# KiCad board VersaSens_HeEx.kicad_pcb (continued)
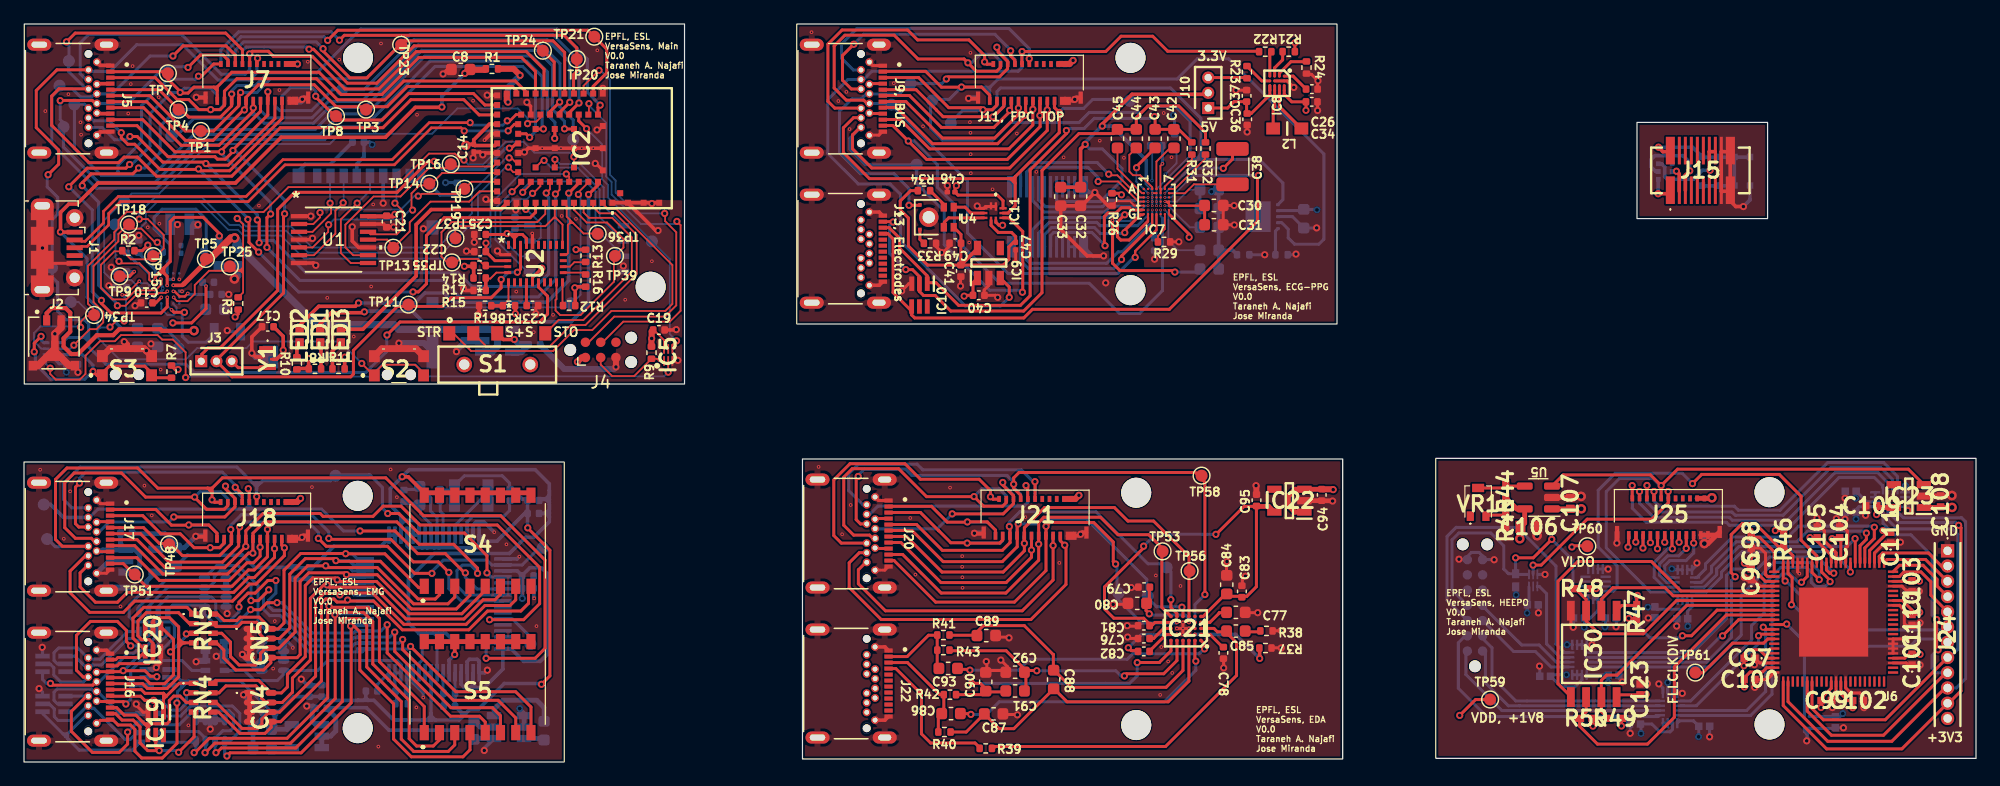
[diagram p0: board, top side]
## Routing (per net, layer and track width the routed paths; a pad name or vN(x,y) marks a point on that pad's centre or on a via; arc(x,y) is an arc through that point) (continued)
  Bottom w0.4: IC12.5 21.93,2.73 20.63,2.73 20.9,3 C53.1
-3V3: length 19.5
  Bottom w0.3: C54.1 36.71,2.66 30.38,2.66 28.52,4.53 25.48,4.53
  Bottom w0.4: C55.2 25.97,3.73 25.97,2.58 25.54,2.15 IC12.2 IC12.3 ; IC14.2 38.01,2.91 C54.1
/HEEPO/+3V3: length 137.4
  Top w0.4: v3(129.72,21.1) 129.72,21.1 128.73,21.1 128.72,21.09 U5.1 ; J25.20 J25.22 140.55,21.97 v3(140.6,22.02) ; 158.29,21.24 IC23.1 160.6,21.21 v3(160.6,21.22)
  PWR w0.25: 128.53,7.32 v2(128.48,7.27)
  PWR w0.4: v2(128.53,9.78) 127.84,9.78 v2(125.21,12.42) 125.21,13.01 v2(124.29,13.93) 123.19,15.03 123.19,19.59 124.69,21.1 v3(129.72,21.1) 139.68,21.1 v3(140.6,22.02) 141.8,20.82 146.59,20.82 147.04,21.28 151.99,21.28 152.57,21.86 v2(152.57,21.98) 153.63,23.04 v2(156.72,23.04) 158.55,21.22 v3(160.6,21.22) 160.6,20.57 158.63,18.6 158.63,4.8 159.8,3.63 J24.12 ; v2(128.53,9.78) 129.96,11.21 v2(129.96,11.23) 131.64,12.91 v2(135.27,12.91) 135.27,14.11 v2(137.26,16.1) ; v2(128.53,9.78) 128.53,7.32 ; v2(128.48,7.27) 131.92,3.83 133.24,3.83 v2(134.69,2.37) 135.58,2.37 136.92,3.71 v2(136.92,6.63)
  Bottom w0.25: C121.2 127.28,7.27 v2(128.48,7.27) ; C121.2 127.27,7.04 ; C121.2 128.04,6.27 129.2,6.27 129.77,6.84 IC29.14 IC29.16 ; C115.2 135.83,12.91 v2(135.27,12.91) ; C115.2 135.93,13.01 ; C115.2 135.99,12.93 ; C115.2 136.04,12.73 138.13,12.73 138.54,13.15 IC26.14 IC26.16 ; C115.2 135.79,12.98 ; v2(128.53,9.78) 128.96,9.78 IC29.5 ; 125.09,12.97 125.36,13.23 125.36,14.6 ; v2(124.29,13.93) 124.27,13.95 124.27,14.75 ; v2(129.96,11.23) 129.98,11.25 C117.2 130.48,12.01 131.1,12.63 IC27.14 IC27.15 ; v2(156.72,23.04) 156.7,23.02 IC25.5 ; C124.1 125.21,13.08 v2(125.21,12.42) ; IC25.16 IC25.14 153.5,21.68 C113.2 152.57,22.53 v2(152.57,21.98) ; IC26.6 137.34,16.02 v2(137.26,16.1) ; v2(134.69,2.37) 134.69,3.17 135.59,3.17 136.25,2.52 137.12,2.52 137.32,2.71 IC28.14 IC28.16 ; IC28.6 136.92,6.62 v2(136.92,6.63)
  Bottom w0.4: J25.20 J25.22 140.55,21.97 v3(140.6,22.02)
GND: length 114.9
  Top w0.15: C10.2 9.49,38.27 v2(9.25,38.02) ; 54.1,36.16 54.22,36.03 v2(54.34,36.03) ; 54.41,33.42 v2(54.46,33.47)
  Top w0.25: U2.2 39.71,42.28 39.43,42.56 v2(39.43,42.59) ; v2(47.73,52.68) 47.89,52.68 IC2.66 ; U2.25 42.36,44.02 v1(42.33,44.05) ; C22.2 36.89,42.54 v2(36.85,42.58) ; C23.1 42.63,37.84 v2(42.63,37.34) ; IC2.68 47.63,49.88 v2(47.58,49.88) ; IC2.44 42.21,54.66 v2(41.89,54.98) ; J1.5 1.82,41.56 J1.6 ; IC2.21 38.62,46.75 v2(38.47,46.9) ; v2(40.96,46.02) 40.96,46.32 41.01,46.37 IC2.19 ; 54.07,33.42 54.41,33.42
  Top w0.3: v2(30.79,44.58) 30.77,44.56 C21.2 29.93,44.84 U1.13 ; IC2.33 38.89,52.35 v1(38.36,51.83) ; v2(23.89,45.49) 22.91,45.49 U1.1 ; 50.03,46.6 50.02,46.61 49.02,46.61 IC2.1 ; 37.45,39.3 36.77,39.3 v2(36.61,39.45) ; 7.19,58.06 6.35,58.06 J5.B12 ; IC2.30 41.61,50.75 v2(41.68,50.83) 42.01,51.15 IC2.73 IC2.74 IC2.75 IC2.67 ; 37.46,43.31 v2(37.5,43.31) 37.5,43.86 37.51,43.86 ; U1.7 24.11,41.59 v2(24.3,41.4) ; C17.2 18.98,35.42 v2(18.98,34.07) 19.29,33.76 Y1.2 ; 52.91,46.6 IC2.70 ; IC2.70 IC2.69 52.63,44.29 v2(52.81,44.29) ; IC2.70 51.64,46.57 ; v2(34.9,57.34) 35.28,57.72 C8.1 ; v2(23.18,55.23) 23.05,55.1 J7.21 ; R19.1 37.9,37.36 v2(37.86,37.31) ; 37.51,50.79 37.51,50.44 v2(37.41,50.35) ; v2(38.58,55.58) 38.92,55.58 38.93,55.56 39.4,55.56 IC2.39 ; J5.B1 6.35,52.51 7.19,52.51 ; C14.1 37.98,50.84 v2(38.22,50.6) 38.37,50.75 IC2.29 ; U1.10 27.87,42.88 27.34,43.42 v2(27.34,44.6) ; IC2.59 48.22,55.71 v2(48.22,56.14) ; v2(24.03,43.64) 23.92,43.54 U1.4 ; v2(54.34,36.03) 54.31,36.01 C19.2 ; 42.82,38.03 C23.1
  Top w0.35: J7.MP1 14.38,55.37 v2(14.35,55.39) ; J7.MP2 23.32,55.37 v2(23.18,55.23)
  Top w0.5: S3.3 8.58,34.79 v2(8.35,35.02) ; J4.5 v2(49.31,32.92) ; v2(31.23,34.91) S2.3
  Top w0.56: S3.4 10,34.45 7.16,34.45 6.53,33.82 ; S2.2 29.81,34.44 S2.3 32.66,34.44 S2.4
  Top w0.6: 4.24,33.05 3.75,33.05 2.57,34.23 2.57,34.98 ; J2.S1 1.15,33.03 2.57,34.45 2.57,34.98 ; 1.85,33.73 3.07,33.73 ; 2.57,34.98 v2(2.57,35.68) 3.09,36.2 J2.2
  Top w0.68: 22.32,55.1 22.47,55.1
  Top w1: J1.6 J1.6
  Bottom w0.2: IC1.C3 11.54,39.33 11.54,39.62 IC1.D3
  Bottom w0.25: C1.2 7.27,41.18 v2(7.27,41.23) ; v2(10.58,34.85) 10.83,34.6 C6.2 ; v2(4.49,32.48) 4.49,32.48 C18.2 ; RT1.2 17.03,35.85 v2(16.93,35.96) ; v2(7.07,39.69) 7.27,39.49 7.58,39.49 ; v2(8.5,43.87) 8.52,43.86 R4.2 ; v2(9.56,43.88) R5.2 ; v2(40.96,46.02) 40.96,45.46 C20.2 ; v2(17.05,38.97) C13.2 16.46,38.97 ; v2(17.15,38.27) 17.15,38.23 16.64,37.72 ; v2(49.92,41.34) 49.93,41.32 IC6.4 ; v2(33.26,44.44) 33.37,44.55 J6.MP3 ; v1(13.16,39.22) IC1.C6 ; IC4.4 2.52,35.63 v2(2.57,35.68) ; v2(10.19,34.28) 9.77,34.28 C5.2
  Bottom w0.3: J6.MP1 22.87,49.27 23.42,49.82 25.52,49.82 C24.2 27.34,51.64 ; 29.92,48.85 29.92,48.84 v2(29.92,46.57)
  Bottom w0.35: v2(14.35,55.39) 15.1,55.39 J7.MP1 ; J7.MP2 23.32,55.37 v2(23.18,55.23)
  Bottom w0.5: J6.MP5 33.32,34.91 v2(31.23,34.91) ; 36.82,35.1 36.02,34.3 v2(36.02,34.2) ; J6.MP6 19.3,33.75 v2(18.98,34.07) ; 42.96,34.79 44.99,32.75 49.14,32.75 v2(49.31,32.92)
  Bottom w0.6: v3(17.53,40.26) 17.8,40.53 C4.2 ; 22.27,55.11 23.06,55.11 v2(23.18,55.23) ; 36.81,35.1 IC3.2
  vias: v1(1.77,54.25) v1(3.7,55.66) v1(4.7,53.31) v1(4.75,52.28) v1(8.59,32.15) v1(8.68,54.05) v1(8.9,56.5) v1(9.05,57.99) v1(10.31,44.56) v1(11.22,55.41) v1(11.28,44.87) v1(11.39,32.7) v1(11.55,39.47) v1(19.57,46.37) v1(21.27,56) v1(23.64,58.36) v1(25.26,38.68) v1(26.26,58.54) v1(27.47,35.46) v1(28.92,39.62) v1(29.09,46.47) v1(29.74,59.88) v1(32.74,53.94) v1(37.41,55.11) v1(41,39.2) v1(42.46,35.82) v1(43.16,51.15) v1(44.07,37.26) v1(44.73,51.15) v1(44.79,45.51) v1(45.98,45.26) v1(46.46,51.15) v1(47.42,51.15) v1(47.75,59.31) v1(47.73,42.02) v1(50.07,38.53) v1(52.3,41.73) v2(1.54,42.84) v2(52.3,46.54)
GND1: length 45.6
  Top w0.25: R29.2 96.19,43.34 v2(96.2,43.35) ; 71.51,58.04 70.69,58.04 70.39,58.34 ; IC8.C2 IC8.A2 105.23,56.76 v2(105.77,56.22) ; R26.1 91.29,47.4 v2(91.41,47.27) 91.39,47.29 ; C36.2 101.89,52.51 v2(101.89,52.51) ; v2(78.01,39.66) 78.01,40.43 C41.2 ; v2(100.8,46.38) 100.8,46.38 C30.2 C31.2 100.8,44.77 v2(100.81,44.76) ; 70.39,52.24 71.21,52.24 71.51,52.54 ; v2(79.4,46.34) 79.59,46.15 IC11.3 80.1,46.3 IC11.1 ; v2(82.52,41.52) 82.6,41.61 C47.1 ; v2(76.91,48.04) C46.2 ; IC10.3 73.7,39.86 v2(73.1,39.26) ; R33.1 75.98,42.96 76.43,42.51 v2(76.43,42.46) 76.55,42.46 77.08,42.99 77.08,43.21 ; C37.2 101.83,55.99 v2(100.95,55.99) ; C26.2 107.75,56.74 v2(107.78,56.77) 107.24,57.31 106.88,57.31 R24.2 ; v2(81.11,38.72) 80.93,38.9 C40.1 79.98,38.92 79.98,39.34 80.37,39.73 IC9.2 ; v2(107.75,54.3) 107.75,55.01 C34.2
  Top w0.3: J13, Electrodes.A12 71.24,39.73 J13, Electrodes.B1 ; 87.53,55.23 87.4,55.1 86.44,55.1 ; J13, Electrodes.B12 71.24,45.83 J13, Electrodes.A1
  Top w0.35: 79.45,55.29 78.7,55.29 ; 88.01,55.37 87.66,55.37 87.53,55.23
  Top w0.68: 86.66,55.1 86.81,55.1
  PWR w0.15: 94.37,46.71 93.98,46.71
  PWR w0.2: 95.17,48.02 94.68,47.54 94.68,47.03 94.37,46.71
  PWR w0.25: 95.17,48.02 95.55,48.4 95.55,49.19 95.26,49.48 93.61,49.48 91.41,47.29 v2(91.41,47.27)
  Bottom w0.25: v2(94.17,41.9) 94.18,41.91 R28.2 ; R35.2 105.89,42.27 v2(105.95,42.33) ; v2(107.67,44.51) 107.66,44.5 C48.2 105.66,45.45 U3.3 ; R25.2 v2(103.35,42.27)
  Bottom w0.3: J11, FPC TOP.23 87.4,55.1 87.52,55.22
  Bottom w0.35: 87.52,55.22 87.66,55.36 88.01,55.36 ; 79.43,55.38 78.75,55.38 78.67,55.3
  Bottom w0.68: 86.63,55.09 86.81,55.09
  vias: v1(65.6,60.82) v1(67.83,55.08) v1(68.5,55.84) v1(68.77,52.75) v1(72.46,56.57) v1(74.89,52.98) v1(78.79,53.32) v1(78.73,43.29) v1(78.84,59.1) v1(78.84,52.44) v1(78.85,50.65) v1(78.87,49.07) v1(80.68,47.73) v1(82.7,52.38) v1(84.33,49.18) v1(86.6,50.39) v1(89.61,51.78) v1(91.62,50.35) v1(94.94,54.09) v1(95.59,50.4) v2(78.68,55.31) v2(87.52,55.22) v2(90.11,39.93) v5(93.98,46.71)
GND2: length 79
  Top w0.25: J17.A1 6.35,21.53 6.05,21.83 ; IC20.3 11.4,8.25 v2(11.01,7.87) ; v2(9.35,4.83) 9.35,4.73 9.93,4.15 IC19.3 ; J17.A12 6.87,15.73 6.05,15.73
  Top w0.3: 6.07,9.31 6.89,9.31 J16.A1 ; v2(23.16,18.73) 23.03,18.6 22.07,18.6
  Top w0.35: v2(23.16,18.73) 23.29,18.86 23.65,18.86 ; 15.08,18.79 14.34,18.79
  Top w0.4: CN5.1 CN5.4 18.46,8.69 v2(18.19,8.96) ; CN4.4 18.79,5.76 18.44,5.76 v2(18.28,5.6)
  Top w0.5: 6.05,9.33 6.07,9.31
  Top w0.68: 22.3,18.6 22.45,18.6
  Bottom w0.25: CN1.5 21.97,10.03 22.39,9.61 v1(22.39,9.51) ; v2(1.52,9.56) 1.55,9.53 IC16.3 ; 16.05,8.85 v2(16.01,8.81) ; v2(11.01,7.87) 10.84,7.7 IC15.3 ; v1(33.26,5.37) 33.26,5.73 32.4,6.59 IC17.60 ; v2(1.26,6.12) 1.55,5.82 IC18.3 ; 14.41,8.43 v2(14.34,8.36) ; CN1.1 19.89,7.57
  Bottom w0.3: v2(38.34,0.96) 38.34,1.14 IC14.1 ; v2(38.59,7.65) 38.38,7.43 IC17.49 37.9,8.4 37.74,8.56 37.11,8.56 36.9,8.36 IC17.51 ; 24.2,6.4 23.59,6.4 v2(23.09,6.9) ; v1(39.17,19.15) 38.31,20.01 37.66,20.01 37.4,19.75 IC17.31 ; v1(24.29,14.85) 23.92,15.23 22.61,15.23 ; v1(41.26,17.12) 41.07,16.92 IC17.33 ; v1(42.49,13.64) 42.47,13.66 42.47,15.51 ; 22.07,18.6 23.03,18.6 v2(23.16,18.73) ; C74.2 24.85,6.41
  Bottom w0.35: 15.07,18.89 14.39,18.89 v2(14.31,18.81) ; 23.65,18.87 23.3,18.87 v2(23.16,18.73)
  Bottom w0.4: 9.06,19.11 9.14,19.03 11.74,19.03 12.67,18.09 12.67,17.86 13.35,17.86 v2(14.31,18.81) ; C50.2 19.07,2.87 19.94,3.73 C53.2 19.8,4.08 v2(18.28,5.6) ; 15.51,3.52 v2(15.51,2.74) ; 15.51,3.52 CN3.4 ; 15.51,3.52 CN3.1 ; IC14.1 37.56,1.96 C54.2 ; IC12.1 24.3,3.1 24.01,3.39 24.01,4.22 C55.1 24.08,4.66 v2(23.55,4.66) ; CN2.4 16.92,12.86 v2(16.92,12.37) ; IC13.2 7.11,16.78 6.06,15.73 6.05,15.73
  Bottom w0.5: CN1.4 CN1.2 CN1.1 ; 19.89,7.57 19.58,7.57 v2(18.19,8.96) ; 9.23,14.49 9.2,14.53 7.1,14.53 J17.S2 ; RN1.4 RN1.2 14.41,8.43 ; 16.71,8.85 16.05,8.85 ; 16.71,8.85 RN1.7 ; 16.71,8.85 RN1.5 ; CN2.1 16.83,13.11 16.98,12.96 ; CN1.7 CN1.5 21.63,9.64
  Bottom w0.68: 22.3,18.6 22.45,18.6
  vias: v1(1.34,24.36) v1(3.32,18.6) v1(3.84,22.56) v1(8.04,12.96) v1(10.03,23.03) v1(10.64,20.55) v1(13.69,3.05) v1(20.75,7.78) v1(20.89,11.74) v1(23.98,22.91) v1(29.52,1.28) v1(30.54,24.38) v1(31.06,22.07) v1(32.68,4.55) v1(40.19,18.14) v1(42.69,11.32)
GND3: length 30.2
  Top w0.25: 80.86,10.41 81.99,10.41 v2(82.05,10.35) ; 92.76,11.31 91.95,11.31 v2(91.9,11.36) ; 103.95,9.52 104.71,9.52 v2(104.73,9.51) ; 91.91,13.14 v2(90.72,13.14) ; v2(92.23,14.54) 92.29,14.48 92.76,14.48 ; v2(81.37,8.49) 81.91,7.95 81.91,7.62 80.26,7.62 80.2,7.56 80.2,8.34 v2(80.16,8.38) ; v1(96.54,11.13) v1(97.04,11.13) v1(97.04,10.63) ; v1(96.54,11.13) v1(96.54,10.63) ; v1(96.54,11.13) v1(96.54,11.63) ; v1(96.54,11.13) v1(96.04,11.13) ; v2(82.74,3.93) 82.71,3.96 81.68,3.96 ; 101.71,12.44 102.76,12.44 v2(102.76,12.44) ; v2(91.93,10.41) 92.05,10.3 92.76,10.3 ; v2(101.74,15.48) 101.49,15.23 101.49,14.77 ; 103.95,10.94 104.71,10.94 v2(104.73,10.95) ; v2(100.21,16.71) 100.17,16.67 100.17,15.63 ; 70.88,15.99 71.7,15.99 72,16.29 ; 70.88,22.09 71.18,21.79 72,21.79 ; 99.92,8.59 99.92,7.85
  Top w0.3: J22.B1 71.72,3.49 J22.A12 ; J22.B12 71.72,9.59 J22.A1 ; v2(88.01,18.98) 87.88,18.85 87.3,18.85
  Top w0.35: 79.94,19.04 79.19,19.04 ; v2(88.01,18.98) 88.16,19.12 88.49,19.12
  Top w0.4: v2(109,21.75) 108.98,21.77 108.14,21.77 108.13,21.78 IC22.2
  Top w0.5: v2(102.62,23.03) 102.66,23 102.66,22.26
  Top w0.67: 87.15,18.86 87.3,18.86
  Bottom w0.3: 88,18.98 87.88,18.85 86.92,18.85
  Bottom w0.35: 88.49,19.12 88.14,19.12 88,18.98 ; 79.16,19.06 79.24,19.14 79.92,19.14
  Bottom w0.68: 87.14,18.85 87.29,18.85
  vias: v1(66.19,24.59) v1(68.15,18.98) v1(68.86,21.42) v1(73.83,20.34) v1(74.25,15.62) v1(77.14,22.87) v1(78.15,17.16) v1(78.15,16.27) v1(78.16,15.39) v1(78.18,14.52) v1(83.41,20.41) v1(86.24,16.59) v1(94.28,15.54) v1(94.64,5.59) v1(94.73,9.58) v1(95.3,8.38) v1(95.64,7.42) v1(96.33,14.67) v2(79.17,19.06) v2(99.93,7.84)
GNDA: length 9
  Bottom w0.3: v2(98.91,47.53) 99.07,47.69 C29.2 C27.2 ; C39.2 100.66,42.65 R25.1
  vias: v5(93.98,47.06)
GNDPWR: length 20.1
  Top w0.15: IC7.E1 93.26,46.37 92.49,46.37 92.12,46.73 90.99,46.73 R26.2 90.7,46.31 90.73,46.31
  Top w0.3: v2(89.93,42.18) 88.56,42.18 86.36,44.38 C33.2 C32.2 88.08,46.35 v2(89.2,47.47) 90.3,46.38 R26.2
  Bottom w0.25: J12.3 J12.MP1
  Bottom w0.3: 88.3,47.94 J12.MP2 88.73,47.47 v2(89.2,47.47) ; 89.65,42.17 89.62,42.14 89.05,42.14 88.25,42.94 ; 87.04,47.94 88.29,47.94
GNDS: length 83.2
  Top w0.25: U6.49 U6.52 156.79,10.26 v2(156.79,10.25) ; U6.59 156.22,13.06 156.62,12.65 156.62,12.28 156.63,12.27 156.63,11.55 156.83,11.34 157.22,11.34 C110.1 157.74,11.4 v2(157.93,11.59) ; 135.24,6.52 134.63,6.52 C123.1 134.51,6.5 ; v2(144.17,6.22) 144.17,6.86 C100.1 145.2,6.87 U6.22 ; v2(129.05,11.23) 128.85,11.43 IC30.4 ; v2(150.64,4.54) 150.67,4.57 150.67,5.38 150.94,5.65 U6.34 ; 153.26,5.27 v2(153.26,4.53) ; 143.92,15.15 C96.1 144.05,15.19 144.58,14.66 U6.4 ; U6.63 156.43,14.66 156.77,14.31 157.16,14.31 C103.1 157.3,14.23 v2(157.87,14.23) ; U6.77 150.94,17.41 ; v2(157.94,8.08) 157.89,8.04 157,8.04 156.78,8.26 U6.47 ; v2(156.3,18.32) 155.05,18.32 154.14,17.41 U6.69 ; U6.84 U6.85 147.74,15.84 v1(147.88,15.7) ; U6.75 151.74,17.81 151.89,17.96 151.89,19.25 151.55,19.58 C104.1 151.24,20 v2(150.96,20.27) ; U6.36 151.74,6.18 152.17,5.75 152.93,5.75 153.23,5.45 C102.1 ; v2(144.14,8.11) 144.14,8.6 C97.1 144.58,8.26 U6.20 ; 150.94,17.31 150.94,17.45 149.97,18.41 149.97,19.26 149.65,19.58 C105.1 149.37,20.29 v2(149.35,20.31) ; 134.81,6.56 134.59,6.34 ; 143.85,15.17 143.51,15.17 v2(143.29,15.4) ; U6.2 145.22,15.46 145.07,15.61 145.07,17.39 144.64,17.82 C98.1 143.88,17.17 v2(144.13,16.92)
  Top w0.4: v3(129.7,22.14) 129.63,22.06 128.73,22.06 128.71,22.04 U5.2 ; v3(126.04,18.86) 126.04,19.58 C106.1 ; v3(139.97,18.2) 140.28,18.2 J25.MP2 140.98,18.91 J25.21 ; J25.MP1 132.7,18.26 v2(132.68,18.25) ; v2(153.4,20.56) 153.34,20.62 153.34,21.34 ; 160.5,22.18 158.28,22.18 IC23.2 158.31,22.21
  Bottom w0.25: 126.12,15.63 v2(126.7,15.63) 126.77,15.56 ; v2(130.61,9.76) 130.6,9.77 IC29.8 IC29.7 ; 126.27,7.84 126.24,7.87 v2(126.24,7.99) 126.26,7.97 C121.1 126.1,7.15 ; v2(138.13,5.72) 138.11,5.74 137.56,5.74 ; IC28.5 136.52,6.17 v2(136.18,6.51) ; v2(139.35,16.58) 139.35,16.43 IC26.8 IC26.7 ; 137.66,11.97 C116.2 137.68,11.34 v2(137.67,11.33) ; v2(129.05,11.23) 129.08,11.26 C117.1 ; C120.2 140.41,2.1 v2(140.4,2.1) ; C113.1 151.69,22.55 v2(151.69,21.98) ; IC28.7 137.56,5.74 ; 137.56,5.74 IC28.8 ; v2(151.55,2.85) 151.55,2.86 C112.2 150.82,2.8 IC24.4 ; v2(135.3,12) 135.82,12 C115.1 ; v2(151.68,20.24) 151.7,20.26 C114.2 ; v2(156.91,20.95) 156.7,21.16 IC25.8 IC25.6 ; v2(126.15,12.43) 126.15,13.08 C124.2 ; 148.53,2.32 148.54,2.33 148.54,2.8 ; 148.53,2.32 148.3,2.55 IC24.1 148.54,2.8 ; 148.53,2.32 148.71,2.5 IC24.4 ; 148.53,2.32 148.53,1.8 v2(148.49,1.76) ; C118.2 132.62,11.28 v2(132.62,11.27) ; v2(122.46,16.85) 122.45,16.87 J27.8 121.5,17.17 121.2,17.46 120.57,17.46 120.23,17.12 J27.7 119.57,16.87 v2(119.53,16.9) ; v2(131.96,16.08) 131.95,16.09 IC27.8 IC27.7 ; 129.65,9.77 IC29.6 ; C122.2 132.86,6.95 v2(133.14,6.68) ; 148.54,2.8 IC24.4 ; v2(133.79,2.4) 133.79,2.98
  Bottom w0.4: v2(132.68,18.25) 132.7,18.26 J25.MP1 ; J25.MP2 140.98,18.91 J25.21 ; 139.98,18.91 139.97,18.92 v3(139.97,18.2)
  vias: v2(135.22,6.52) v3(160.59,22.21)
VCC: length 25.6
  Top w0.25: C41.1 78.04,43.22 C49.1 ; C41.1 75.26,41.41 73.67,43.01 73.67,45.34 72.99,46.02 72.99,46.75 73.85,47.62 R34.2 ; C41.1 81.57,41.41 82.04,41.88 82.04,42.92 82.43,43.32 C47.2 82.6,43.79 82.26,44.13 81.16,44.13 80.55,44.74 IC11.6 ; 77.45,44.56 78.05,43.96 78.05,43.21 78.04,43.21 78.06,43.23
  Top w0.3: IC9.5 79.42,42.8 C41.1
VCCQ: length 37.9
  Top w0.25: IC21.D6 94.21,11.63 93.89,11.31 93.89,11.36 93.27,11.98 90.78,11.98 90,12.76 90,14.59 93.26,17.84 v2(93.26,17.99) ; IC21.E1 98.22,12.13 100.17,14.08 100.44,13.81 101.85,13.81 102.66,14.61 102.66,21.3 102.65,21.31 101.63,21.31 99.3,18.97 v2(99.28,18.97)
  Top w0.4: IC22.5 103.68,21.3 102.66,21.3
  Bottom w0.25: v2(99.28,18.97) 94.25,18.97 v2(93.26,17.99)
VDD: length 44.6
  Top w0.25: v2(143.26,8.02) 143.26,8.63 C97.2 143.28,9.01 143.64,9.36 144.55,9.36 145.25,8.66 U6.19 ; v2(157.94,8.97) 157.91,9 157,9 156.66,8.66 U6.48 ; v2(148.77,18.7) 148.78,18.68 C105.2 149.37,18.4 150.54,17.23 150.54,17.07 ; 144,16.09 C96.2 ; C96.2 144.02,16.09 145.05,15.06 U6.3 ; C96.2 144.05,16.09 ; 144.04,16.07 143.81,16.07 v2(143.31,16.58) ; v2(130.68,2.99) 130.68,2.99 R50.2 ; 122.06,5.2 120.91,5.2 v2(119.59,3.88) ; v2(145.88,19.29) 146.31,19.29 146.55,19.05 ; U6.33 150.54,6.15 149.71,5.32 149.71,4.57 v2(149.68,4.54) ; v2(133.06,3) R49.2 ; IC30.8 132.85,5.6 C123.2 134.65,5.64 v2(135.12,5.64) ; v2(157.89,15.07) 156.4,15.07 156.38,15.06 U6.64 ; U6.78 150.54,17.16 ; v2(130.96,14.45) 130.42,14.45 130.38,14.41 ; R47.2 133.69,11.95 v2(133.67,11.97)
  Top w0.4: 154.3,21.34 154.31,21.33 v2(154.31,20.62) ; IC23.5 154.49,21.21
  Bottom w0.25: v2(131.69,11.26) 131.72,11.29 C118.1 131.5,12.23 IC27.13 ; C116.1 138.58,12.58 138.95,12.95 138.95,13.51 IC26.13 ; C116.1 138.74,12.1 ; C116.1 138.58,11.32 v2(138.59,11.31) ; IC24.3 151.27,3.8 v2(151.5,4.03) ; v2(152.6,20.25) 152.6,20.25 C114.1 152.6,21.04 152.84,21.28 IC25.13 ; IC29.13 131.89,7.27 ; IC28.13 137.91,3.43 139.06,3.43 C120.1 139.51,2.13 v2(139.49,2.11) ; 131.84,7.36 C122.1 v2(131.96,6.62)
/ECG_PPG/ACG_LR: length 1.9
  Top w0.25: 76.62,46.24 76.62,46.47 R34.1
/ECG_PPG/ACG_THSEL: length 1.3
  Top w0.25: R33.2 74.62,43.56 U4.5
/ECG_PPG/ACG_Wake: length 32.2
  Top w0.25: v2(81.04,59.57) 81.15,59.46 81.15,59.17 81.93,58.38 81.93,58.15 ; 76.83,56.93 77,57.1 81.25,57.1 81.93,57.78 81.93,58.17 ; 74.63,46.43 74.6,46.4 v2(73.72,46.4)
  Bottom w0.25: 81.93,58.16 81.93,58.49 81.04,59.38 v2(81.04,59.57) ; v2(73.72,46.4) 73.72,47.78 72.47,49.03 69.67,49.03 67.93,50.77 67.93,54.23 68.97,55.27 69.75,55.27 70.17,55.68 J9, BUS.B7 ; v2(76.83,56.92) 76.45,56.54 73.78,56.54 72.91,55.68 70.49,55.68
/ECG_PPG/BBST_INGOOD: length 2.3
  Top w0.25: R21.2 104.84,58.51 104.17,57.85 IC8.C1
/ECG_PPG/BBST_PGOOD: length 2.4
  Top w0.25: IC8.D2 103.11,56.76 R23.1
/ECG_PPG/BBST_RSEL: length 2.9
  Top w0.25: IC8.B1 104.57,57.4 105.53,58.36 106.8,58.36 R24.1
/ECG_PPG/CLK: length 54.8
  Top w0.25: 69.69,52.89 69.64,52.89 69.01,52.27 69.01,51.1 70.61,49.51 82.11,49.51 85.23,52.63 v2(85.23,54.34) 85.23,55.14 ; v2(83.17,39.15) 83.19,39.17 83.19,44.21 82.06,45.35 IC11.8
  Bottom w0.25: v2(85.23,54.34) 85.24,54.35 J11, FPC TOP.17 ; J9, BUS.B2 69.69,52.88 68.79,51.98 68.79,51.09 70.11,49.78 TP42.1 74.35,48.21 76.65,45.91 76.65,43.11 80.45,39.31 83.01,39.31 v2(83.17,39.15)
/ECG_PPG/CSB1: length 16.6
  Top w0.25: 83.43,55.14 v2(83.43,53.91) 83.43,53.86 81.1,51.53 75.68,51.53 72.66,54.54 71.51,54.54
  Bottom w0.25: v2(83.43,53.91) 83.43,55.09 J11, FPC TOP.11
/ECG_PPG/CSB2: length 17.1
  Top w0.25: J11, FPC TOP.13 84.03,55.09 v2(84.03,54.4) 84.03,53.09 82.04,51.1 75.44,51.1 72.99,53.54 71.51,53.54
  Bottom w0.25: v2(84.03,54.4) 84.04,54.41 J11, FPC TOP.13
/ECG_PPG/Data: length 39.1
  Top w0.25: 82.56,48.78 82.4,48.62 82.04,48.62 ; 82.56,48.78 82.56,48.22 ; 82.56,48.78 86.23,52.45 v2(86.23,54.14) 85.83,54.54 85.83,55.14 ; 82.56,48.22 82.56,46.35 81.96,45.75 IC11.9 ; 82.56,48.22 82.17,48.62 82.04,48.62 ; 82.04,48.62 70.42,48.62 68.25,50.79 68.25,52.85 69.09,53.69 69.69,53.69
  Bottom w0.25: J11, FPC TOP.19 85.84,54.53 v2(86.23,54.14) 86.57,54.47 88.27,54.47 89.02,55.22 91.98,55.22 TP44.1
/ECG_PPG/ECG_BIN: length 4.8
  Top w0.25: v2(92.67,49.52) 92.67,49.63 C43.1
  Bottom w0.15: 93.63,47.4 92.65,48.38 92.65,49.5 v2(92.67,49.52)
  vias: v4(93.63,47.41)
/ECG_PPG/ECG_BIP: length 4.8
  Top w0.15: IC7.B1 93.12,47.41 91.08,49.44 C45.1
/ECG_PPG/ECG_CAL1: length 4
  Top w0.15: IC7.B5 IC7.A5 94.66,47.77 94.66,49.68 v1(94.83,49.85)
  Bottom w0.25: R27.1 94.83,51.35 v1(94.83,49.85)
/ECG_PPG/ECG_CSB: length 5.4
  GND w0.15: 94.33,46.87 v6(94.33,46.71)
  GND w0.25: v1(95.05,48.99) 95.05,48.47 94.33,47.75 94.33,46.87
  Bottom w0.15: R30.2 96,51.14 96,49.89 95.1,48.99 v1(95.05,48.99)
/ECG_PPG/ECG_DRVN: length 4.2
  Top w0.15: IC7.A4 94.33,50.04 95.46,51.17 C42.1
/ECG_PPG/ECG_DRVP: length 4.8
  Top w0.15: IC7.A3 93.98,47.9 92.97,48.9 92.38,48.9 92.07,49.21 92.07,50.59 C44.1
/ECG_PPG/ECG_ECGN: length 3.8
  Top w0.15: IC7.A6 95.03,47.95 97.28,50.2 97.28,50.62
  Top w0.25: 97.28,50.62 97.29,50.61 97.29,50.6
/ECG_PPG/ECG_ECGP: length 4.4
  Top w0.15: IC7.A7 95.87,47.76 98.37,50.26 98.37,50.44 98.42,50.49 98.42,50.62
/ECG_PPG/ECG_I2CADD: length 2.4
  Bottom w0.15: R28.1 94.33,43.8 94.33,46
  vias: v4(94.33,46.01)
/ECG_PPG/ECG_LDOOUT: length 10.6
  Top w0.15: IC7.E7 IC7.D7 95.03,46.71 95.03,46.71 95.15,46.71 95.47,46.38
  Top w0.2: 95.38,46.36 98.21,46.36
  Top w0.25: C30.1 C31.1
  Bottom w0.15: C29.1 97.02,47.69 96.04,46.71 95.03,46.71
  Bottom w0.25: C29.1 97.96,46.11
  vias: v4(95.03,46.71)
/ECG_PPG/ECG_PD1IN: length 13.1
  Top w0.15: v2(90.36,48.99) 90.45,48.89 91.08,48.89 92.91,47.06 IC7.C1
  Bottom w0.25: J12.20 83.01,49.24 83.73,49.96 89.39,49.96 v2(90.36,48.99)
/ECG_PPG/ECG_PD2IN: length 12.5
  Top w0.15: IC7.D1 92.81,46.71 91.14,48.38 v2(89.48,48.38)
  Bottom w0.25: J12.18 83.51,49.16 83.92,49.56 88.63,49.56 89.48,48.71 v2(89.48,48.38)
/ECG_PPG/ECG_PD3IN: length 11.5
  Bottom w0.15: 93.63,46.71 93.03,46.71 92.88,46.57
  Bottom w0.25: J12.16 84.01,46.78 84.96,45.83 90.02,45.83 90.51,46.32 92.64,46.32 92.88,46.57
  vias: v4(93.63,46.71)
/ECG_PPG/ECG_PD4IN: length 10.8
  Bottom w0.15: 92.62,46.87 92.81,47.06 93.63,47.06
  Bottom w0.25: 92.62,46.87 92.55,46.8 90.37,46.8 89.84,46.28 85.08,46.28 84.51,46.85 J12.14
  vias: v4(93.63,47.06)
/ECG_PPG/ECG_RLD: length 52.7
  Top w0.25: J13, Electrodes.A4 71.96,44.03 72.39,43.6 72.39,39.12 73.94,37.57 73.94,37.26 74.19,37.01 83.28,37.01 84,37.73 95.41,37.73 102.74,45.06 102.74,48.8 v2(102.82,48.88)
  Bottom w0.15: 96.82,48.32 95.55,47.06 95.03,47.06
  Bottom w0.25: 96.82,48.32 97.38,48.88 100.02,48.88 v2(102.82,48.88)
  vias: v4(95.03,47.06)
/ECG_PPG/ECG_TRIG: length 2.6
  Top w0.15: R29.1 94.45,43.84 95.03,44.42 IC7.G6
/ECG_PPG/ECG_VMID: length 3.7
  Bottom w0.15: C35.2 97.11,44.56 95.32,46.36 95.03,46.36
  vias: v4(95.03,46.36)
/ECG_PPG/ECG_VREFECG: length 5.6
  Bottom w0.15: C39.1 96.11,42.65 95.33,43.44 95.33,45.71 95.03,46 95.03,46
  vias: v4(95.03,46.01)
/ECG_PPG/ECG_VREFPPG: length 14.8
  Top w0.25: v1(90.66,45.15) 90.67,45.14 90.67,41.57 91.28,40.96 95.74,40.96 v2(95.86,40.83)
  Bottom w0.15: 93.63,46.36 93.39,46.36 92.11,45.08 90.73,45.08 v1(90.66,45.15)
  Bottom w0.25: v2(95.86,40.83) 97.71,40.83 C27.1
  vias: v4(93.63,46.36)
/ECG_PPG/FCLK: length 57.5
  Top w0.25: 71.51,53.04 72.37,53.04 75.19,50.22 81.91,50.22 84.64,52.95 84.64,55.1 ; J11, FPC TOP.15 84.62,55.07 v2(84.62,53.88)
  Bottom w0.15: 94.83,45.33 94.68,45.48 94.68,46
  Bottom w0.25: v2(73.66,51.75) 74.12,51.75 76.08,49.79 76.08,47.91 77.52,46.47 77.52,43.67 81.29,39.9 88.73,39.9 91.25,37.38 92.92,37.38 94.83,39.29 94.83,45.33 ; 84.65,55.11 84.62,55.08 v2(84.62,53.88)
  vias: v4(94.68,46.01)
/ECG_PPG/INT1: length 24.2
  Top w0.25: v2(80.02,58.35) 80.21,58.15 80.73,58.15 ; 80.02,58.36 80.02,58.87 78.71,60.18 74.43,60.18 73.61,61 68.14,61 66.97,59.83 66.97,55.06 67.53,54.49 69.69,54.49
  Bottom w0.25: v2(80.02,58.35) 80.21,58.16 80.73,58.16
/ECG_PPG/INT2: length 61.8
  Top w0.15: 94.33,45.54 IC7.G4
  Top w0.2: 94.33,45.54 94.33,44.35 92.56,42.58 v2(92.56,42.05)
  Top w0.25: 81.33,58.15 81.33,57.87 81.03,57.57 79.33,57.57 v2(78.63,58.27) 78.3,58.59 74.47,58.59 72.49,60.57 68.38,60.57 67.48,59.67 67.48,56.17 68.49,55.16 69.94,55.16 70.21,54.89 70.39,54.89
  Bottom w0.25: v2(92.56,42.05) 92.45,42.05 91.1,40.7 81.99,40.7 78.59,44.1 78.59,48.41 72.12,54.88 J9, BUS.B6 ; v2(78.63,58.27) 78.93,58.27 79.65,58.99 80.77,58.99 81.33,58.43 81.33,58.16
/ECG_PPG/INT4: length 21.8
  Top w0.25: v2(69.12,59.82) 68.18,58.88 68.18,56.82 68.91,56.09 69.69,56.09 ; v2(82.18,59.27) 82.18,58.84 82.53,58.49 82.53,58.15
  Bottom w0.25: v2(82.18,59.27) 82.18,59.34 80.88,60.65 69.94,60.65 69.12,59.83 v2(69.12,59.82) ; 82.18,59.32 82.18,58.9 82.53,58.55 82.53,58.16
/ECG_PPG/LED1: length 15
  Top w0.15: IC7.G3 93.98,45.65 93.98,45.51
  Top w0.2: 93.98,45.51 93.98,44.73 93.86,44.6
  Top w0.25: 93.86,44.6 91.42,42.17 v2(91.42,41.88)
  Bottom w0.25: v2(91.42,41.88) 91.42,41.78 90.78,41.14 83.65,41.14 83,41.79 83,42.92 J12.19
/ECG_PPG/LED2: length 14.1
  Bottom w0.15: 93.75,44.77 93.98,45 93.98,46.01
  Bottom w0.25: 93.75,44.77 91.49,42.51 91.14,42.51 90.19,41.56 83.79,41.56 83.51,41.84 J12.17
  vias: v4(93.98,46.01)
